# Altium PCB SAMW25_Xplained_Pro.PcbDoc (part 4 of 9)
Units mm, origin at the board's own origin, x right, y up, seen from the top; angles counter-clockwise.
Board outline 60 x 60 mm, 4 copper layers (Top Layer LF-signals, GND, POWER, Bottom Layer LF-signals), stack 1.602 mm thick; 139 components, 107 nets, 540 pads, 303 vias.
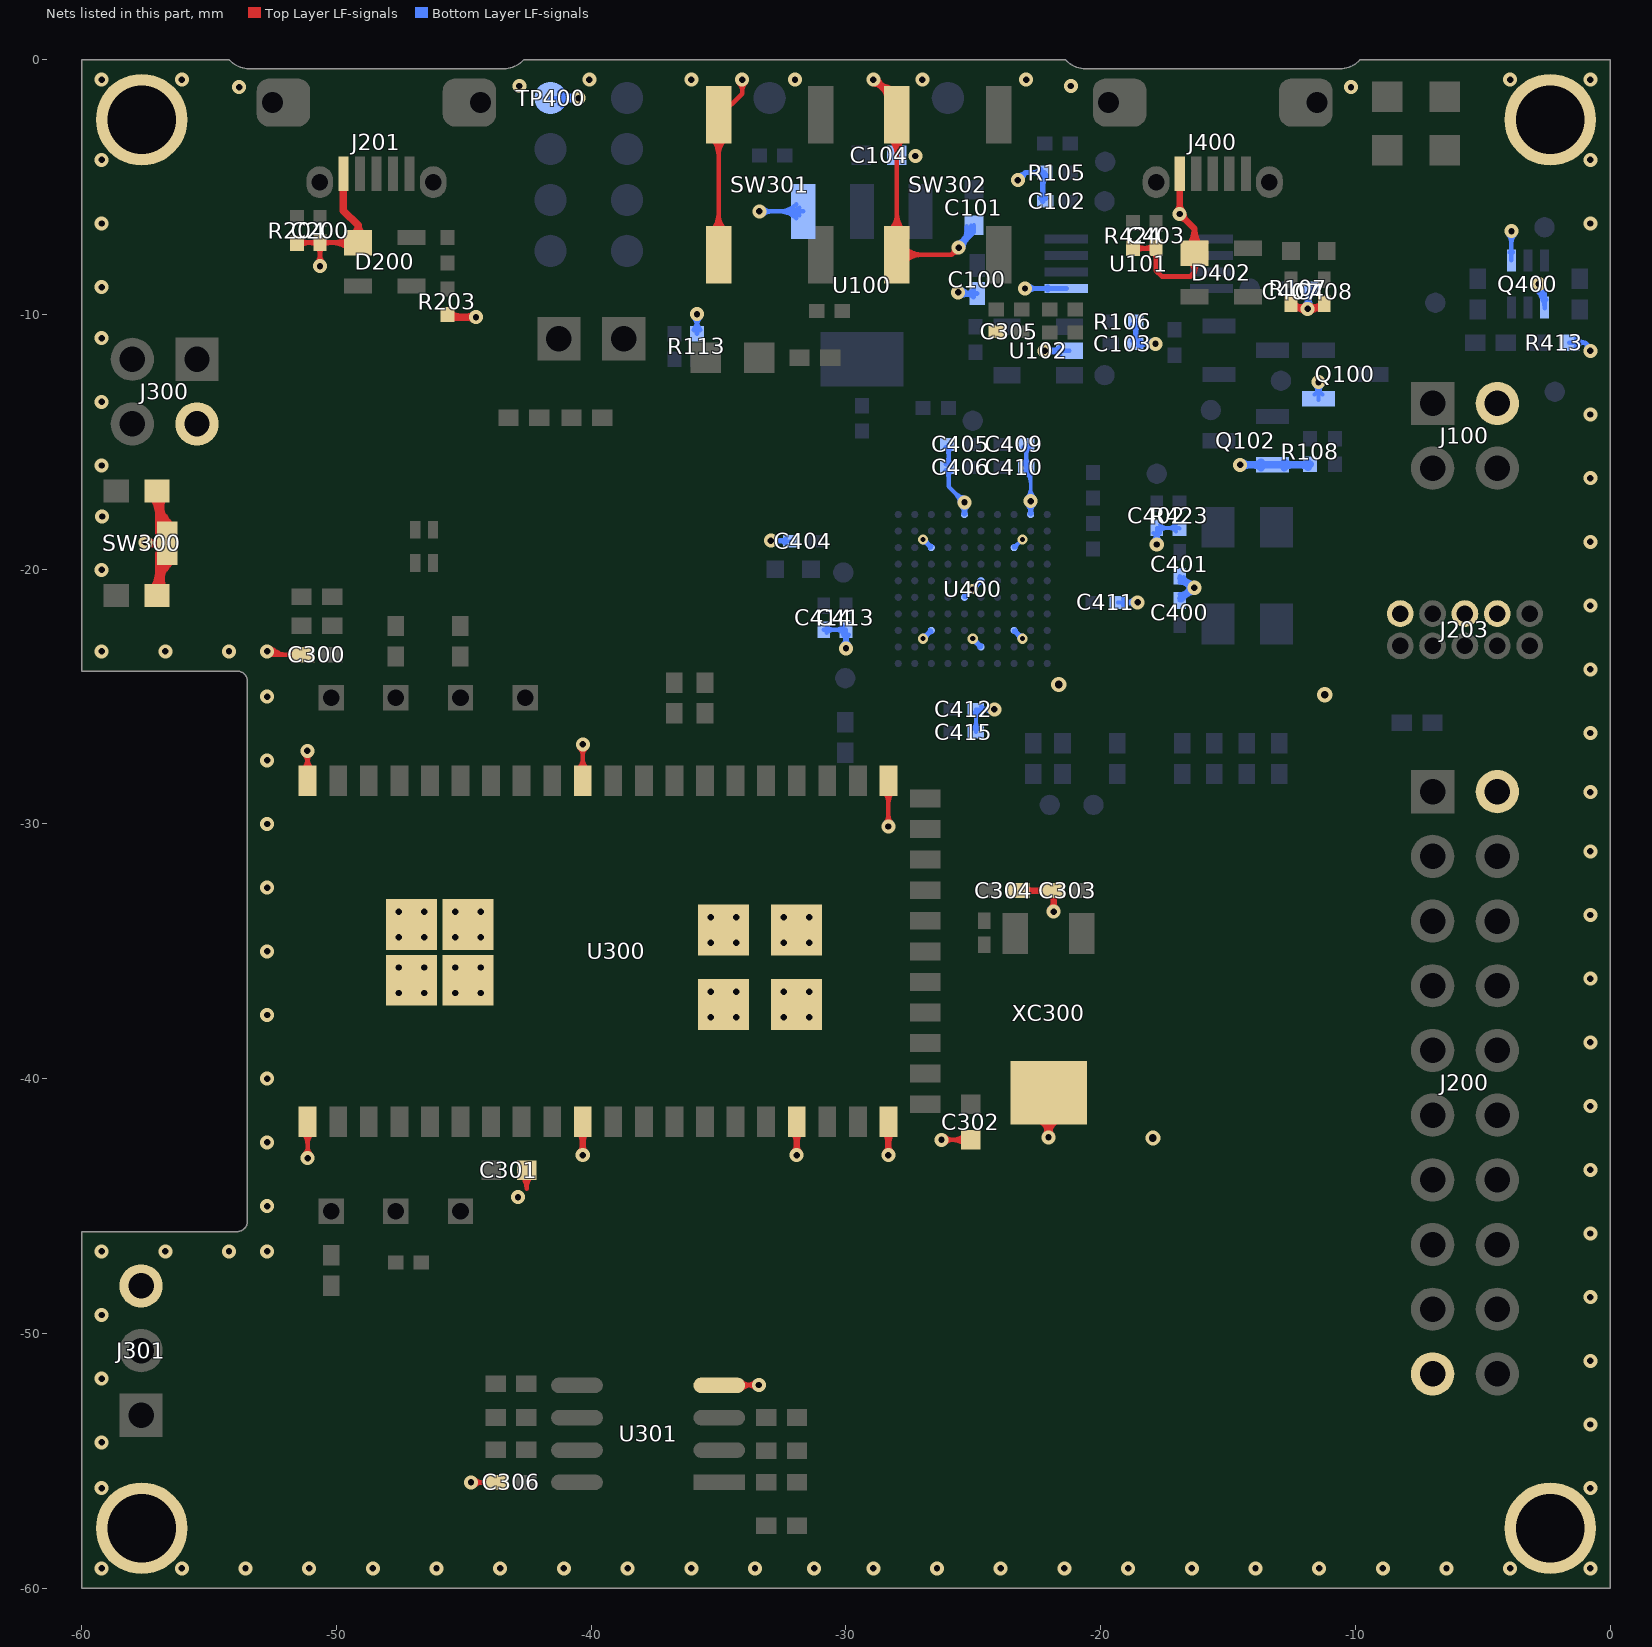
[diagram p6: the nets of this part, all layers, seen from the top]

## Via types
v1: diameter 0.55, hole 0.25, Top Layer LF-signals to Bottom Layer LF-signals, tented both sides, 213 vias
v2: diameter 0.55, hole 0.25, Top Layer LF-signals to Bottom Layer LF-signals, 46 vias
v3: diameter 0.55/0.8 (per signal layer), hole 0.25, Top Layer LF-signals to Bottom Layer LF-signals, tented top, 18 vias
v4: diameter 0.4, hole 0.2, Top Layer LF-signals to Bottom Layer LF-signals, 15 vias
v5: diameter 0.55, hole 0.25, Top Layer LF-signals to Bottom Layer LF-signals, tented top, 8 vias
v6: diameter 0.6, hole 0.3, Top Layer LF-signals to Bottom Layer LF-signals, tented both sides, 3 vias

## Nets (pads, with @x,y where several pads share a name; then routed paths per layer and width w, separated by ;. In a path a pad name is that pad's centre, name@x,y a point inside that pad or via, vN(x,y) a via of type N, cw(c..) or ccw(c..) an arc to the next point about the centre after c; other vN are vias at no path point) (continued)
GND: (continued)
  Bottom Layer LF-signals w0.15: TP400.1@-41.6,-1.5 v2(-40.5,-1.5) ; v1(-32.95,-18.875) -32.925,-18.9 C404.2@-32.15,-18.9 ; v4(-26.975,-22.725) U400.H3@-26.65,-22.4 ; v4(-26.975,-18.825) U400.H8@-26.65,-19.15 ; v4@-26.87,-22.588 ccw(c-27.038,-22.296) U400.H3@-26.713,-22.383 ; v4@-26.87,-18.962 cw(c-27.038,-19.254) U400.H8@-26.713,-19.167 ; v4@-26.838,-22.62 cw(c-26.546,-22.788) U400.H3@-26.633,-22.463 ; v4@-26.838,-18.93 ccw(c-26.546,-18.762) U400.H8@-26.633,-19.087 ; -26.816,-22.534 cw(c-26.975,-22.376) v4@-26.975,-22.6 ; -26.816,-19.016 ccw(c-26.975,-19.174) v4@-26.975,-18.95 ; -26.784,-22.566 ccw(c-26.626,-22.725) v4@-26.85,-22.725 ; -26.784,-18.984 cw(c-26.626,-18.825) v4@-26.85,-18.825 ; U400.H3@-26.746,-22.464 ccw(c-26.496,-22.715) v4@-26.85,-22.722 ; U400.H8@-26.746,-19.086 cw(c-26.496,-18.835) v4@-26.85,-18.828 ; U400.H3@-26.714,-22.496 cw(c-26.965,-22.246) v4@-26.972,-22.6 ; U400.H8@-26.714,-19.054 ccw(c-26.965,-19.304) v4@-26.972,-18.95 ; U400.F5@-25.35,-21.1 v4(-25.025,-20.775) U400.E6@-24.7,-20.45 ; v1(-25.35,-17.373) U400.F10@-25.35,-17.85 ; v4(-25.025,-22.725) U400.E2@-24.7,-23.05 ; v4@-24.92,-22.862 cw(c-25.088,-23.154) U400.E2@-24.763,-23.067 ; v4@-24.92,-20.638 ccw(c-25.088,-20.346) U400.E6@-24.763,-20.433 ; C415.2@-24.9,-26.4 C412.2@-24.9,-25.5 v1(-24.175,-25.5) ; v4@-24.888,-22.83 ccw(c-24.596,-22.662) U400.E2@-24.683,-22.987 ; v4@-24.888,-20.67 cw(c-24.596,-20.838) U400.E6@-24.683,-20.513 ; -24.866,-22.916 ccw(c-25.025,-23.074) v4@-25.025,-22.85 ; -24.866,-20.584 cw(c-25.025,-20.426) v4@-25.025,-20.65 ; -24.834,-22.884 cw(c-24.676,-22.725) v4@-24.9,-22.725 ; -24.834,-20.616 ccw(c-24.676,-20.775) v4@-24.9,-20.775 ; U400.E2@-24.796,-22.986 cw(c-24.546,-22.735) v4@-24.9,-22.728 ; U400.E6@-24.796,-20.514 ccw(c-24.546,-20.765) v4@-24.9,-20.772 ; U400.E2@-24.764,-22.954 ccw(c-25.015,-23.204) v4@-25.022,-22.85 ; U400.E6@-24.764,-20.546 cw(c-25.015,-20.296) v4@-25.022,-20.65 ; U400.C3@-23.4,-22.4 v4(-23.075,-22.725) ; U400.C8@-23.4,-19.15 v4(-23.075,-18.825) ; U400.C3@-23.336,-22.496 ccw(c-23.085,-22.246) v4@-23.078,-22.6 ; U400.C3@-23.304,-22.464 cw(c-23.554,-22.715) v4@-23.2,-22.722 ; -23.266,-22.566 cw(c-23.424,-22.725) v4@-23.2,-22.725 ; -23.234,-22.534 ccw(c-23.075,-22.376) v4@-23.075,-22.6 ; v4@-23.212,-22.62 ccw(c-23.504,-22.788) U400.C3@-23.417,-22.463 ; v4@-23.18,-22.588 cw(c-23.012,-22.296) U400.C3@-23.337,-22.383 ; C410.2@-22.925,-16 -22.75,-16.175 v1(-22.75,-17.325) U400.B10@-22.75,-17.85 ; C411.2@-19.325,-21.3 -18.552,-21.3 v1(-18.551,-21.301) ; v2(-17.8,-19.025) C402.2@-17.8,-18.375 -16.925,-18.375 R423.1@-16.9,-18.4 ; Q100.1@-11.45,-13.35 Q100.1@-11.45,-13.3 v2(-11.45,-12.65) ; TP400.1@-41.268,-1.741 cw(c-40.795,-2.086) -40.795,-1.5 ; TP400.1@-41.268,-1.741 cw(c-40.795,-2.086) -40.795,-1.5 ; TP400.1@-41.268,-1.741 cw(c-40.795,-2.086) -40.795,-1.5 ; TP400.1@-41.268,-1.259 ccw(c-40.795,-0.914) -40.795,-1.5 ; TP400.1@-41.268,-1.259 ccw(c-40.795,-0.914) -40.795,-1.5 ; TP400.1@-41.268,-1.259 ccw(c-40.795,-0.914) -40.795,-1.5 ; TP400.1@-41.147,-1.829 cw(c-40.5,-2.3) v2(-40.5,-1.5) ; TP400.1@-41.147,-1.829 cw(c-40.5,-2.3) v2(-40.5,-1.5) ; TP400.1@-41.147,-1.829 cw(c-40.5,-2.3) v2(-40.5,-1.5) ; TP400.1@-41.147,-1.171 ccw(c-40.5,-0.7) v2(-40.5,-1.5) ; TP400.1@-41.147,-1.171 ccw(c-40.5,-0.7) v2(-40.5,-1.5) ; TP400.1@-41.147,-1.171 ccw(c-40.5,-0.7) v2(-40.5,-1.5) ; TP400.1@-40.983,-1.5 cw(c-40.983,-1.983) v2@-40.641,-1.641 ; TP400.1@-40.983,-1.5 ccw(c-40.983,-1.017) v2@-40.641,-1.359 ; TP400.1@-40.983,-1.5 ccw(c-40.983,-1.017) v2@-40.641,-1.359 ; TP400.1@-40.983,-1.5 cw(c-40.983,-1.983) v2@-40.641,-1.641 ; TP400.1@-40.983,-1.5 ccw(c-40.983,-1.017) v2@-40.641,-1.359 ; TP400.1@-40.983,-1.5 cw(c-40.983,-1.983) v2@-40.641,-1.641 ; -40.9,-1.607 cw(c-40.815,-1.925) v2@-40.619,-1.661 ; -40.9,-1.607 ccw(c-40.985,-1.289) v2@-40.683,-1.42 ; -40.9,-1.607 cw(c-40.815,-1.925) v2@-40.619,-1.661 ; -40.9,-1.607 ccw(c-40.985,-1.289) v2@-40.683,-1.42 ; -40.9,-1.607 cw(c-40.815,-1.925) v2@-40.619,-1.661 ; -40.9,-1.607 ccw(c-40.985,-1.289) v2@-40.683,-1.42 ; -40.9,-1.607 ccw(c-40.985,-1.289) v2@-40.683,-1.42 ; -40.9,-1.607 cw(c-40.815,-1.925) v2@-40.619,-1.661 ; -40.9,-1.607 ccw(c-40.985,-1.289) v2@-40.683,-1.42 ; -40.9,-1.607 cw(c-40.815,-1.925) v2@-40.619,-1.661 ; -40.9,-1.607 ccw(c-40.985,-1.289) v2@-40.683,-1.42 ; -40.9,-1.607 cw(c-40.815,-1.925) v2@-40.619,-1.661 ; -40.9,-1.393 cw(c-40.985,-1.711) v2@-40.683,-1.58 ; -40.9,-1.393 ccw(c-40.815,-1.075) v2@-40.619,-1.339 ; -40.9,-1.393 cw(c-40.985,-1.711) v2@-40.683,-1.58 ; -40.9,-1.393 ccw(c-40.815,-1.075) v2@-40.619,-1.339 ; -40.9,-1.393 cw(c-40.985,-1.711) v2@-40.683,-1.58 ; -40.9,-1.393 ccw(c-40.815,-1.075) v2@-40.619,-1.339 ; -40.9,-1.393 ccw(c-40.815,-1.075) v2@-40.619,-1.339 ; -40.9,-1.393 cw(c-40.985,-1.711) v2@-40.683,-1.58 ; -40.9,-1.393 ccw(c-40.815,-1.075) v2@-40.619,-1.339 ; -40.9,-1.393 cw(c-40.985,-1.711) v2@-40.683,-1.58 ; -40.9,-1.393 ccw(c-40.815,-1.075) v2@-40.619,-1.339 ; -40.9,-1.393 cw(c-40.985,-1.711) v2@-40.683,-1.58 ; v1@-32.809,-19.016 cw(c-32.527,-19.298) -32.527,-18.9 ; v1@-32.809,-19.016 cw(c-32.527,-19.298) -32.527,-18.9 ; v1@-32.809,-19.016 cw(c-32.527,-19.298) -32.527,-18.9 ; v1@-32.809,-18.734 ccw(c-32.407,-18.332) C404.2@-32.407,-18.9 ; v1@-32.809,-18.734 ccw(c-32.407,-18.332) C404.2@-32.407,-18.9 ; v1@-32.809,-18.734 ccw(c-32.407,-18.332) C404.2@-32.407,-18.9 ; -32.647,-18.9 cw(c-32.647,-19.322) C404.2@-32.349,-19.024 ; -32.647,-18.9 ccw(c-32.647,-18.477) C404.2@-32.349,-18.776 ; -32.647,-18.9 ccw(c-32.647,-18.477) C404.2@-32.349,-18.776 ; -32.647,-18.9 cw(c-32.647,-19.322) C404.2@-32.349,-19.024 ; -32.647,-18.9 ccw(c-32.647,-18.477) C404.2@-32.349,-18.776 ; -32.647,-18.9 cw(c-32.647,-19.322) C404.2@-32.349,-19.024 ; -32.612,-18.845 ccw(c-32.541,-18.579) C404.2@-32.348,-18.775 ; -32.612,-18.845 ccw(c-32.541,-18.579) C404.2@-32.348,-18.775 ; -32.612,-18.845 ccw(c-32.541,-18.579) C404.2@-32.348,-18.775 ; -32.535,-18.866 cw(c-32.603,-19.118) C404.2@-32.377,-18.987 ; -32.535,-18.866 cw(c-32.603,-19.118) C404.2@-32.377,-18.987 ; -32.535,-18.866 cw(c-32.603,-19.118) C404.2@-32.377,-18.987 ; v4@-26.975,-22.6 ccw(c-26.975,-22.298) -26.762,-22.512 ; v4@-26.975,-22.6 ccw(c-26.975,-22.389) -26.826,-22.538 ; v4@-26.975,-22.6 ccw(c-26.975,-22.389) -26.826,-22.538 ; v4@-26.975,-22.6 ccw(c-26.975,-22.389) -26.826,-22.538 ; v4@-26.975,-22.6 ccw(c-26.975,-22.298) -26.762,-22.512 ; v4@-26.975,-22.6 ccw(c-26.975,-22.389) -26.826,-22.538 ; v4@-26.975,-22.6 ccw(c-26.975,-22.298) -26.762,-22.512 ; v4@-26.975,-18.95 cw(c-26.975,-19.252) -26.762,-19.038 ; v4@-26.975,-18.95 cw(c-26.975,-19.161) -26.826,-19.012 ; v4@-26.975,-18.95 cw(c-26.975,-19.161) -26.826,-19.012 ; v4@-26.975,-18.95 cw(c-26.975,-19.161) -26.826,-19.012 ; v4@-26.975,-18.95 cw(c-26.975,-19.252) -26.762,-19.038 ; v4@-26.975,-18.95 cw(c-26.975,-19.161) -26.826,-19.012 ; v4@-26.975,-18.95 cw(c-26.975,-19.252) -26.762,-19.038 ; v4@-26.972,-22.6 ccw(c-26.965,-22.232) U400.H3@-26.705,-22.492 ; v4@-26.972,-22.6 ccw(c-26.965,-22.232) U400.H3@-26.705,-22.492 ; v4@-26.972,-22.6 ccw(c-26.965,-22.232) U400.H3@-26.705,-22.492 ; v4@-26.972,-22.6 ccw(c-26.965,-22.232) U400.H3@-26.705,-22.492 ; v4@-26.972,-18.95 cw(c-26.965,-19.318) U400.H8@-26.705,-19.058 ; v4@-26.972,-18.95 cw(c-26.965,-19.318) U400.H8@-26.705,-19.058 ; v4@-26.972,-18.95 cw(c-26.965,-19.318) U400.H8@-26.705,-19.058 ; v4@-26.972,-18.95 cw(c-26.965,-19.318) U400.H8@-26.705,-19.058 ; v4@-26.85,-22.725 cw(c-26.548,-22.725) -26.762,-22.512 ; v4@-26.85,-22.725 cw(c-26.639,-22.725) -26.788,-22.576 ; v4@-26.85,-22.725 cw(c-26.639,-22.725) -26.788,-22.576 ; v4@-26.85,-22.725 cw(c-26.639,-22.725) -26.788,-22.576 ; v4@-26.85,-22.725 cw(c-26.548,-22.725) -26.762,-22.512 ; v4@-26.85,-22.725 cw(c-26.639,-22.725) -26.788,-22.576 ; v4@-26.85,-22.725 cw(c-26.548,-22.725) -26.762,-22.512 ; v4@-26.85,-22.722 cw(c-26.482,-22.715) U400.H3@-26.742,-22.455 ; v4@-26.85,-22.722 cw(c-26.482,-22.715) U400.H3@-26.742,-22.455 ; v4@-26.85,-22.722 cw(c-26.482,-22.715) U400.H3@-26.742,-22.455 ; v4@-26.85,-22.722 cw(c-26.482,-22.715) U400.H3@-26.742,-22.455 ; -26.851,-22.563 ccw(c-26.999,-22.306) U400.H3@-26.713,-22.383 ; -26.851,-22.563 ccw(c-26.999,-22.306) U400.H3@-26.713,-22.383 ; -26.851,-22.563 ccw(c-26.999,-22.306) U400.H3@-26.713,-22.383 ; -26.851,-18.987 cw(c-26.999,-19.244) U400.H8@-26.713,-19.167 ; -26.851,-18.987 cw(c-26.999,-19.244) U400.H8@-26.713,-19.167 ; -26.851,-18.987 cw(c-26.999,-19.244) U400.H8@-26.713,-19.167 ; v4@-26.85,-18.828 ccw(c-26.482,-18.835) U400.H8@-26.742,-19.095 ; v4@-26.85,-18.828 ccw(c-26.482,-18.835) U400.H8@-26.742,-19.095 ; v4@-26.85,-18.828 ccw(c-26.482,-18.835) U400.H8@-26.742,-19.095 ; v4@-26.85,-18.828 ccw(c-26.482,-18.835) U400.H8@-26.742,-19.095 ; v4@-26.85,-18.825 ccw(c-26.548,-18.825) -26.762,-19.038 ; v4@-26.85,-18.825 ccw(c-26.639,-18.825) -26.788,-18.974 ; v4@-26.85,-18.825 ccw(c-26.639,-18.825) -26.788,-18.974 ; v4@-26.85,-18.825 ccw(c-26.639,-18.825) -26.788,-18.974 ; v4@-26.85,-18.825 ccw(c-26.548,-18.825) -26.762,-19.038 ; v4@-26.85,-18.825 ccw(c-26.639,-18.825) -26.788,-18.974 ; v4@-26.85,-18.825 ccw(c-26.548,-18.825) -26.762,-19.038 ; -26.813,-22.601 cw(c-26.556,-22.749) U400.H3@-26.633,-22.463 ; -26.813,-22.601 cw(c-26.556,-22.749) U400.H3@-26.633,-22.463 ; -26.813,-22.601 cw(c-26.556,-22.749) U400.H3@-26.633,-22.463 ; -26.813,-18.949 ccw(c-26.556,-18.801) U400.H8@-26.633,-19.087 ; -26.813,-18.949 ccw(c-26.556,-18.801) U400.H8@-26.633,-19.087 ; -26.813,-18.949 ccw(c-26.556,-18.801) U400.H8@-26.633,-19.087 ; -26.761,-22.511 cw(c-26.65,-22.622) U400.H3@-26.65,-22.465 ; -26.761,-22.511 ccw(c-26.872,-22.4) U400.H3@-26.715,-22.4 ; -26.761,-22.511 ccw(c-26.872,-22.4) U400.H3@-26.715,-22.4 ; -26.761,-22.511 cw(c-26.65,-22.622) U400.H3@-26.65,-22.465 ; -26.761,-22.511 ccw(c-26.872,-22.4) U400.H3@-26.715,-22.4 ; -26.761,-22.511 cw(c-26.65,-22.622) U400.H3@-26.65,-22.465 ; -26.761,-19.039 cw(c-26.872,-19.15) U400.H8@-26.715,-19.15 ; -26.761,-19.039 ccw(c-26.65,-18.928) U400.H8@-26.65,-19.085 ; -26.761,-19.039 ccw(c-26.65,-18.928) U400.H8@-26.65,-19.085 ; -26.761,-19.039 cw(c-26.872,-19.15) U400.H8@-26.715,-19.15 ; -26.761,-19.039 ccw(c-26.65,-18.928) U400.H8@-26.65,-19.085 ; -26.761,-19.039 cw(c-26.872,-19.15) U400.H8@-26.715,-19.15 ; v1@-25.49,-17.515 cw(c-25.82,-17.85) U400.F10@-25.35,-17.85 ; v1@-25.49,-17.515 cw(c-25.82,-17.85) U400.F10@-25.35,-17.85 ; v1@-25.49,-17.515 cw(c-25.82,-17.85) U400.F10@-25.35,-17.85 ; U400.F10@-25.406,-17.818 ccw(c-25.542,-17.739) -25.391,-17.698 ; U400.F10@-25.406,-17.818 ccw(c-25.542,-17.739) -25.391,-17.698 ; U400.F10@-25.406,-17.818 ccw(c-25.542,-17.739) -25.391,-17.698 ; U400.F10@-25.396,-17.804 ccw(c-25.507,-17.693) -25.35,-17.693 ; U400.F10@-25.396,-17.804 ccw(c-25.507,-17.693) -25.35,-17.693 ; U400.F10@-25.396,-17.804 ccw(c-25.507,-17.693) -25.35,-17.693 ; -25.391,-17.698 ccw(c-25.239,-17.658) U400.F10@-25.318,-17.794 ; -25.391,-17.698 ccw(c-25.239,-17.658) U400.F10@-25.318,-17.794 ; -25.391,-17.698 ccw(c-25.239,-17.658) U400.F10@-25.318,-17.794 ; U400.F10@-25.383,-17.794 ccw(c-25.461,-17.658) -25.309,-17.698 ; U400.F10@-25.383,-17.794 ccw(c-25.461,-17.658) -25.309,-17.698 ; U400.F10@-25.383,-17.794 ccw(c-25.461,-17.658) -25.309,-17.698 ; U400.F5@-25.35,-21.035 ccw(c-25.35,-20.878) -25.239,-20.989 ; U400.F5@-25.35,-21.035 ccw(c-25.35,-20.878) -25.239,-20.989 ; U400.F5@-25.35,-21.035 ccw(c-25.35,-20.878) -25.239,-20.989 ; U400.F10@-25.35,-17.85 cw(c-24.88,-17.85) v1@-25.21,-17.515 ; U400.F10@-25.35,-17.85 cw(c-24.88,-17.85) v1@-25.21,-17.515 ; U400.F10@-25.35,-17.85 cw(c-24.88,-17.85) v1@-25.21,-17.515 ; -25.35,-17.693 ccw(c-25.193,-17.693) U400.F10@-25.304,-17.804 ; -25.35,-17.693 ccw(c-25.193,-17.693) U400.F10@-25.304,-17.804 ; -25.35,-17.693 ccw(c-25.193,-17.693) U400.F10@-25.304,-17.804 ; -25.309,-17.698 ccw(c-25.158,-17.739) U400.F10@-25.294,-17.818 ; -25.309,-17.698 ccw(c-25.158,-17.739) U400.F10@-25.294,-17.818 ; -25.309,-17.698 ccw(c-25.158,-17.739) U400.F10@-25.294,-17.818 ; U400.F5@-25.285,-21.1 cw(c-25.128,-21.1) -25.239,-20.989 ; U400.F5@-25.285,-21.1 cw(c-25.128,-21.1) -25.239,-20.989 ; U400.F5@-25.285,-21.1 cw(c-25.128,-21.1) -25.239,-20.989 ; v4@-25.025,-22.85 cw(c-25.025,-23.061) -24.876,-22.912 ; v4@-25.025,-22.85 cw(c-25.025,-23.061) -24.876,-22.912 ; v4@-25.025,-22.85 cw(c-25.025,-23.152) -24.812,-22.938 ; v4@-25.025,-22.85 cw(c-25.025,-23.061) -24.876,-22.912 ; v4@-25.025,-22.85 cw(c-25.025,-23.152) -24.812,-22.938 ; v4@-25.025,-22.85 cw(c-25.025,-23.152) -24.812,-22.938 ; v4@-25.025,-22.85 cw(c-25.025,-23.061) -24.876,-22.912 ; v4@-25.025,-20.65 ccw(c-25.025,-20.439) -24.876,-20.588 ; v4@-25.025,-20.65 ccw(c-25.025,-20.439) -24.876,-20.588 ; v4@-25.025,-20.65 ccw(c-25.025,-20.348) -24.812,-20.562 ; v4@-25.025,-20.65 ccw(c-25.025,-20.439) -24.876,-20.588 ; v4@-25.025,-20.65 ccw(c-25.025,-20.348) -24.812,-20.562 ; v4@-25.025,-20.65 ccw(c-25.025,-20.348) -24.812,-20.562 ; v4@-25.025,-20.65 ccw(c-25.025,-20.439) -24.876,-20.588 ; C415.2@-25.024,-26.276 ccw(c-25.322,-25.978) -24.9,-25.978 ; C415.2@-25.024,-26.276 ccw(c-25.322,-25.978) -24.9,-25.978 ; C415.2@-25.024,-26.276 ccw(c-25.322,-25.978) -24.9,-25.978 ; C412.2@-25.024,-25.624 cw(c-25.322,-25.922) -24.9,-25.922 ; C412.2@-25.024,-25.624 cw(c-25.322,-25.922) -24.9,-25.922 ; C412.2@-25.024,-25.624 cw(c-25.322,-25.922) -24.9,-25.922 ; v4@-25.022,-22.85 cw(c-25.015,-23.218) U400.E2@-24.755,-22.958 ; v4@-25.022,-22.85 cw(c-25.015,-23.218) U400.E2@-24.755,-22.958 ; v4@-25.022,-22.85 cw(c-25.015,-23.218) U400.E2@-24.755,-22.958 ; v4@-25.022,-22.85 cw(c-25.015,-23.218) U400.E2@-24.755,-22.958 ; v4@-25.022,-20.65 ccw(c-25.015,-20.282) U400.E6@-24.755,-20.542 ; v4@-25.022,-20.65 ccw(c-25.015,-20.282) U400.E6@-24.755,-20.542 ; v4@-25.022,-20.65 ccw(c-25.015,-20.282) U400.E6@-24.755,-20.542 ; v4@-25.022,-20.65 ccw(c-25.015,-20.282) U400.E6@-24.755,-20.542 ; -24.901,-22.887 cw(c-25.049,-23.144) U400.E2@-24.763,-23.067 ; -24.901,-22.887 cw(c-25.049,-23.144) U400.E2@-24.763,-23.067 ; -24.901,-22.887 cw(c-25.049,-23.144) U400.E2@-24.763,-23.067 ; -24.901,-20.613 ccw(c-25.049,-20.356) U400.E6@-24.763,-20.433 ; -24.901,-20.613 ccw(c-25.049,-20.356) U400.E6@-24.763,-20.433 ; -24.901,-20.613 ccw(c-25.049,-20.356) U400.E6@-24.763,-20.433 ; -24.9,-25.978 ccw(c-24.478,-25.978) C415.2@-24.776,-26.276 ; -24.9,-25.978 ccw(c-24.478,-25.978) C415.2@-24.776,-26.276 ; -24.9,-25.978 ccw(c-24.478,-25.978) C415.2@-24.776,-26.276 ; -24.9,-25.922 cw(c-24.478,-25.922) C412.2@-24.776,-25.624 ; -24.9,-25.922 cw(c-24.478,-25.922) C412.2@-24.776,-25.624 ; -24.9,-25.922 cw(c-24.478,-25.922) C412.2@-24.776,-25.624 ; v4@-24.9,-22.728 ccw(c-24.532,-22.735) U400.E2@-24.792,-22.995 ; v4@-24.9,-22.728 ccw(c-24.532,-22.735) U400.E2@-24.792,-22.995 ; v4@-24.9,-22.728 ccw(c-24.532,-22.735) U400.E2@-24.792,-22.995 ; v4@-24.9,-22.728 ccw(c-24.532,-22.735) U400.E2@-24.792,-22.995 ; v4@-24.9,-22.725 ccw(c-24.598,-22.725) -24.812,-22.938 ; v4@-24.9,-22.725 ccw(c-24.689,-22.725) -24.838,-22.874 ; v4@-24.9,-22.725 ccw(c-24.689,-22.725) -24.838,-22.874 ; v4@-24.9,-22.725 ccw(c-24.689,-22.725) -24.838,-22.874 ; v4@-24.9,-22.725 ccw(c-24.598,-22.725) -24.812,-22.938 ; v4@-24.9,-22.725 ccw(c-24.689,-22.725) -24.838,-22.874 ; v4@-24.9,-22.725 ccw(c-24.598,-22.725) -24.812,-22.938 ; v4@-24.9,-20.775 cw(c-24.598,-20.775) -24.812,-20.562 ; v4@-24.9,-20.775 cw(c-24.689,-20.775) -24.838,-20.626 ; v4@-24.9,-20.775 cw(c-24.689,-20.775) -24.838,-20.626 ; v4@-24.9,-20.775 cw(c-24.689,-20.775) -24.838,-20.626 ; v4@-24.9,-20.775 cw(c-24.598,-20.775) -24.812,-20.562 ; v4@-24.9,-20.775 cw(c-24.689,-20.775) -24.838,-20.626 ; v4@-24.9,-20.775 cw(c-24.598,-20.775) -24.812,-20.562 ; v4@-24.9,-20.772 cw(c-24.532,-20.765) U400.E6@-24.792,-20.505 ; v4@-24.9,-20.772 cw(c-24.532,-20.765) U400.E6@-24.792,-20.505 ; v4@-24.9,-20.772 cw(c-24.532,-20.765) U400.E6@-24.792,-20.505 ; v4@-24.9,-20.772 cw(c-24.532,-20.765) U400.E6@-24.792,-20.505 ; -24.863,-22.849 ccw(c-24.606,-22.701) U400.E2@-24.683,-22.987 ; -24.863,-22.849 ccw(c-24.606,-22.701) U400.E2@-24.683,-22.987 ; -24.863,-22.849 ccw(c-24.606,-22.701) U400.E2@-24.683,-22.987 ; -24.863,-20.651 cw(c-24.606,-20.799) U400.E6@-24.683,-20.513 ; -24.863,-20.651 cw(c-24.606,-20.799) U400.E6@-24.683,-20.513 ; -24.863,-20.651 cw(c-24.606,-20.799) U400.E6@-24.683,-20.513 ; -24.811,-22.939 cw(c-24.922,-23.05) U400.E2@-24.765,-23.05 ; -24.811,-22.939 ccw(c-24.7,-22.828) U400.E2@-24.7,-22.985 ; -24.811,-22.939 ccw(c-24.7,-22.828) U400.E2@-24.7,-22.985 ; -24.811,-22.939 cw(c-24.922,-23.05) U400.E2@-24.765,-23.05 ; -24.811,-22.939 ccw(c-24.7,-22.828) U400.E2@-24.7,-22.985 ; -24.811,-22.939 cw(c-24.922,-23.05) U400.E2@-24.765,-23.05 ; -24.811,-20.561 cw(c-24.7,-20.672) U400.E6@-24.7,-20.515 ; -24.811,-20.561 ccw(c-24.922,-20.45) U400.E6@-24.765,-20.45 ; -24.811,-20.561 ccw(c-24.922,-20.45) U400.E6@-24.765,-20.45 ; -24.811,-20.561 cw(c-24.7,-20.672) U400.E6@-24.7,-20.515 ; -24.811,-20.561 ccw(c-24.922,-20.45) U400.E6@-24.765,-20.45 ; -24.811,-20.561 cw(c-24.7,-20.672) U400.E6@-24.7,-20.515 ; C412.2@-24.701,-25.624 cw(c-24.403,-25.922) v1@-24.403,-25.5 ; C412.2@-24.701,-25.624 cw(c-24.403,-25.922) v1@-24.403,-25.5 ; C412.2@-24.701,-25.624 cw(c-24.403,-25.922) v1@-24.403,-25.5 ; C412.2@-24.701,-25.376 ccw(c-24.403,-25.078) v1@-24.403,-25.5 ; C412.2@-24.701,-25.376 ccw(c-24.403,-25.078) v1@-24.403,-25.5 ; C412.2@-24.701,-25.376 ccw(c-24.403,-25.078) v1@-24.403,-25.5 ; C412.2@-24.689,-25.61 cw(c-24.539,-25.732) -24.489,-25.545 ; C412.2@-24.689,-25.61 cw(c-24.539,-25.732) -24.489,-25.545 ; C412.2@-24.689,-25.61 cw(c-24.539,-25.732) -24.489,-25.545 ; C412.2@-24.689,-25.39 ccw(c-24.539,-25.268) -24.489,-25.455 ; C412.2@-24.689,-25.39 ccw(c-24.539,-25.268) -24.489,-25.455 ; C412.2@-24.689,-25.39 ccw(c-24.539,-25.268) -24.489,-25.455 ; C412.2@-24.673,-25.588 cw(c-24.435,-25.725) -24.507,-25.459 ; C412.2@-24.673,-25.588 cw(c-24.435,-25.725) -24.507,-25.459 ; C412.2@-24.673,-25.588 cw(c-24.435,-25.725) -24.507,-25.459 ; C412.2@-24.673,-25.413 ccw(c-24.435,-25.275) -24.507,-25.541 ; C412.2@-24.673,-25.413 ccw(c-24.435,-25.275) -24.507,-25.541 ; C412.2@-24.673,-25.413 ccw(c-24.435,-25.275) -24.507,-25.541 ; C412.2@-24.658,-25.5 cw(c-24.658,-25.983) v1@-24.316,-25.641 ; C412.2@-24.658,-25.5 ccw(c-24.658,-25.017) v1@-24.316,-25.359 ; C412.2@-24.658,-25.5 ccw(c-24.658,-25.017) v1@-24.316,-25.359 ; C412.2@-24.658,-25.5 cw(c-24.658,-25.983) v1@-24.316,-25.641 ; C412.2@-24.658,-25.5 ccw(c-24.658,-25.017) v1@-24.316,-25.359 ; C412.2@-24.658,-25.5 cw(c-24.658,-25.983) v1@-24.316,-25.641 ; -24.515,-25.53 cw(c-24.477,-25.673) v1@-24.348,-25.6 ; -24.515,-25.53 ccw(c-24.586,-25.268) v1@-24.349,-25.402 ; -24.515,-25.53 cw(c-24.477,-25.673) v1@-24.348,-25.6 ; -24.515,-25.53 ccw(c-24.586,-25.268) v1@-24.349,-25.402 ; -24.515,-25.53 cw(c-24.477,-25.673) v1@-24.348,-25.6 ; -24.515,-25.53 ccw(c-24.586,-25.268) v1@-24.349,-25.402 ; -24.515,-25.53 ccw(c-24.586,-25.268) v1@-24.349,-25.402 ; -24.515,-25.53 cw(c-24.477,-25.673) v1@-24.348,-25.6 ; -24.515,-25.53 ccw(c-24.586,-25.268) v1@-24.349,-25.402 ; -24.515,-25.53 cw(c-24.477,-25.673) v1@-24.348,-25.6 ; -24.515,-25.53 ccw(c-24.586,-25.268) v1@-24.349,-25.402 ; -24.515,-25.53 cw(c-24.477,-25.673) v1@-24.348,-25.6 ; -24.515,-25.47 cw(c-24.586,-25.732) v1@-24.349,-25.598 ; -24.515,-25.47 ccw(c-24.477,-25.327) v1@-24.348,-25.4 ; -24.515,-25.47 cw(c-24.586,-25.732) v1@-24.349,-25.598 ; -24.515,-25.47 ccw(c-24.477,-25.327) v1@-24.348,-25.4 ; -24.515,-25.47 cw(c-24.586,-25.732) v1@-24.349,-25.598 ; -24.515,-25.47 ccw(c-24.477,-25.327) v1@-24.348,-25.4 ; -24.515,-25.47 ccw(c-24.477,-25.327) v1@-24.348,-25.4 ; -24.515,-25.47 cw(c-24.586,-25.732) v1@-24.349,-25.598 ; -24.515,-25.47 ccw(c-24.477,-25.327) v1@-24.348,-25.4 ; -24.515,-25.47 cw(c-24.586,-25.732) v1@-24.349,-25.598 ; -24.515,-25.47 ccw(c-24.477,-25.327) v1@-24.348,-25.4 ; -24.515,-25.47 cw(c-24.586,-25.732) v1@-24.349,-25.598 ; U400.C3@-23.417,-22.463 cw(c-23.494,-22.749) -23.237,-22.601 ; U400.C3@-23.417,-22.463 cw(c-23.494,-22.749) -23.237,-22.601 ; U400.C3@-23.417,-22.463 cw(c-23.494,-22.749) -23.237,-22.601 ; U400.C3@-23.4,-22.465 cw(c-23.4,-22.622) -23.289,-22.511 ; U400.C3@-23.4,-22.465 cw(c-23.4,-22.622) -23.289,-22.511 ; U400.C3@-23.4,-22.465 cw(c-23.4,-22.622) -23.289,-22.511 ; U400.C8@-23.4,-19.085 ccw(c-23.4,-18.928) -23.289,-19.039 ; U400.C8@-23.4,-19.085 ccw(c-23.4,-18.928) -23.289,-19.039 ; U400.C8@-23.4,-19.085 ccw(c-23.4,-18.928) -23.289,-19.039 ; U400.C3@-23.345,-22.492 ccw(c-23.085,-22.232) v4@-23.078,-22.6 ; U400.C3@-23.345,-22.492 ccw(c-23.085,-22.232) v4@-23.078,-22.6 ; U400.C3@-23.345,-22.492 ccw(c-23.085,-22.232) v4@-23.078,-22.6 ; U400.C3@-23.345,-22.492 ccw(c-23.085,-22.232) v4@-23.078,-22.6 ; U400.C3@-23.337,-22.383 ccw(c-23.051,-22.306) -23.199,-22.563 ; U400.C3@-23.337,-22.383 ccw(c-23.051,-22.306) -23.199,-22.563 ; U400.C3@-23.337,-22.383 ccw(c-23.051,-22.306) -23.199,-22.563 ; U400.C3@-23.335,-22.4 ccw(c-23.178,-22.4) -23.289,-22.511 ; U400.C3@-23.335,-22.4 ccw(c-23.178,-22.4) -23.289,-22.511 ; U400.C3@-23.335,-22.4 ccw(c-23.178,-22.4) -23.289,-22.511 ; U400.C8@-23.335,-19.15 cw(c-23.178,-19.15) -23.289,-19.039 ; U400.C8@-23.335,-19.15 cw(c-23.178,-19.15) -23.289,-19.039 ; U400.C8@-23.335,-19.15 cw(c-23.178,-19.15) -23.289,-19.039 ; U400.C3@-23.308,-22.455 cw(c-23.568,-22.715) v4@-23.2,-22.722 ; U400.C3@-23.308,-22.455 cw(c-23.568,-22.715) v4@-23.2,-22.722 ; U400.C3@-23.308,-22.455 cw(c-23.568,-22.715) v4@-23.2,-22.722 ; U400.C3@-23.308,-22.455 cw(c-23.568,-22.715) v4@-23.2,-22.722 ; -23.288,-22.512 cw(c-23.502,-22.725) v4@-23.2,-22.725 ; -23.288,-22.512 ccw(c-23.075,-22.298) v4@-23.075,-22.6 ; -23.288,-22.512 ccw(c-23.075,-22.298) v4@-23.075,-22.6 ; -23.288,-22.512 cw(c-23.502,-22.725) v4@-23.2,-22.725 ; -23.288,-22.512 ccw(c-23.075,-22.298) v4@-23.075,-22.6 ; -23.288,-22.512 cw(c-23.502,-22.725) v4@-23.2,-22.725 ; -23.262,-22.576 cw(c-23.411,-22.725) v4@-23.2,-22.725 ; -23.262,-22.576 cw(c-23.411,-22.725) v4@-23.2,-22.725 ; -23.262,-22.576 cw(c-23.411,-22.725) v4@-23.2,-22.725 ; -23.262,-22.576 cw(c-23.411,-22.725) v4@-23.2,-22.725 ; -23.224,-22.538 ccw(c-23.075,-22.389) v4@-23.075,-22.6 ; -23.224,-22.538 ccw(c-23.075,-22.389) v4@-23.075,-22.6 ; -23.224,-22.538 ccw(c-23.075,-22.389) v4@-23.075,-22.6 ; -23.224,-22.538 ccw(c-23.075,-22.389) v4@-23.075,-22.6 ; C410.2@-22.974,-16.124 cw(c-23.514,-16.664) -22.75,-16.664 ; C410.2@-22.974,-16.124 cw(c-23.514,-16.664) -22.75,-16.664 ; C410.2@-22.974,-16.124 cw(c-23.514,-16.664) -22.75,-16.664 ; v1@-22.891,-17.466 cw(c-23.233,-17.808) U400.B10@-22.75,-17.808 ; v1@-22.891,-17.466 cw(c-23.233,-17.808) U400.B10@-22.75,-17.808 ; v1@-22.891,-17.466 cw(c-23.233,-17.808) U400.B10@-22.75,-17.808 ; v1@-22.891,-17.184 ccw(c-23.233,-16.842) -22.75,-16.842 ; v1@-22.891,-17.184 ccw(c-23.233,-16.842) -22.75,-16.842 ; v1@-22.891,-17.184 ccw(c-23.233,-16.842) -22.75,-16.842 ; C410.2@-22.868,-16.018 cw(c-23.152,-16.302) -22.75,-16.302 ; C410.2@-22.868,-16.018 cw(c-23.152,-16.302) -22.75,-16.302 ; C410.2@-22.868,-16.018 cw(c-23.152,-16.302) -22.75,-16.302 ; U400.B10@-22.806,-17.817 ccw(c-22.974,-17.72) -22.787,-17.67 ; U400.B10@-22.806,-17.817 ccw(c-22.974,-17.72) -22.787,-17.67 ; U400.B10@-22.806,-17.817 ccw(c-22.974,-17.72) -22.787,-17.67 ; U400.B10@-22.796,-17.804 ccw(c-22.907,-17.693) -22.75,-17.693 ; U400.B10@-22.796,-17.804 ccw(c-22.907,-17.693) -22.75,-17.693 ; U400.B10@-22.796,-17.804 ccw(c-22.907,-17.693) -22.75,-17.693 ; U400.B10@-22.75,-17.808 cw(c-22.267,-17.808) v1@-22.609,-17.466 ; U400.B10@-22.75,-17.808 cw(c-22.267,-17.808) v1@-22.609,-17.466 ; U400.B10@-22.75,-17.808 cw(c-22.267,-17.808) v1@-22.609,-17.466 ; -22.75,-17.693 ccw(c-22.593,-17.693) U400.B10@-22.704,-17.804 ; -22.75,-17.693 ccw(c-22.593,-17.693) U400.B10@-22.704,-17.804 ; -22.75,-17.693 ccw(c-22.593,-17.693) U400.B10@-22.704,-17.804 ; -22.75,-16.842 ccw(c-22.267,-16.842) v1@-22.609,-17.184 ; -22.75,-16.842 ccw(c-22.267,-16.842) v1@-22.609,-17.184 ; -22.75,-16.842 ccw(c-22.267,-16.842) v1@-22.609,-17.184 ; -22.713,-17.67 ccw(c-22.526,-17.72) U400.B10@-22.694,-17.817 ; -22.713,-17.67 ccw(c-22.526,-17.72) U400.B10@-22.694,-17.817 ; -22.713,-17.67 ccw(c-22.526,-17.72) U400.B10@-22.694,-17.817 ; C411.2@-19.126,-21.424 cw(c-18.828,-21.722) -18.828,-21.3 ; C411.2@-19.126,-21.424 cw(c-18.828,-21.722) -18.828,-21.3 ; C411.2@-19.126,-21.424 cw(c-18.828,-21.722) -18.828,-21.3 ; C411.2@-19.126,-21.176 ccw(c-18.828,-20.878) -18.828,-21.3 ; C411.2@-19.126,-21.176 ccw(c-18.828,-20.878) -18.828,-21.3 ; C411.2@-19.126,-21.176 ccw(c-18.828,-20.878) -18.828,-21.3 ; C411.2@-19.116,-21.413 cw(c-18.944,-21.558) -18.886,-21.34 ; C411.2@-19.116,-21.413 cw(c-18.944,-21.558) -18.886,-21.34 ; C411.2@-19.116,-21.413 cw(c-18.944,-21.558) -18.886,-21.34 ; C411.2@-19.115,-21.188 ccw(c-18.944,-21.046) -18.886,-21.261 ; C411.2@-19.115,-21.188 ccw(c-18.944,-21.046) -18.886,-21.261 ; C411.2@-19.115,-21.188 ccw(c-18.944,-21.046) -18.886,-21.261 ; C411.2@-19.098,-21.388 cw(c-18.9,-21.502) -18.959,-21.281 ; C411.2@-19.098,-21.388 cw(c-18.9,-21.502) -18.959,-21.281 ; C411.2@-19.098,-21.388 cw(c-18.9,-21.502) -18.959,-21.281 ; C411.2@-19.098,-21.212 ccw(c-18.896,-21.096) -18.957,-21.321 ; C411.2@-19.098,-21.212 ccw(c-18.896,-21.096) -18.957,-21.321 ; C411.2@-19.098,-21.212 ccw(c-18.896,-21.096) -18.957,-21.321 ; C411.2@-19.036,-21.3 cw(c-19.036,-21.786) v1@-18.692,-21.442 ; C411.2@-19.036,-21.3 cw(c-19.036,-21.786) v1@-18.692,-21.442 ; C411.2@-19.036,-21.3 cw(c-19.036,-21.786) v1@-18.692,-21.442 ; C411.2@-19.031,-21.3 ccw(c-19.031,-20.821) v1@-18.692,-21.16 ; C411.2@-19.031,-21.3 ccw(c-19.031,-20.821) v1@-18.692,-21.16 ; C411.2@-19.031,-21.3 ccw(c-19.031,-20.821) v1@-18.692,-21.16 ; v2@-17.941,-18.884 ccw(c-18.283,-18.542) C402.2@-17.8,-18.542 ; v2@-17.941,-18.884 ccw(c-18.283,-18.542) C402.2@-17.8,-18.542 ; v2@-17.941,-18.884 ccw(c-18.283,-18.542) C402.2@-17.8,-18.542 ; C402.2@-17.924,-18.574 cw(c-18.222,-18.872) v2@-17.8,-18.872 ; C402.2@-17.924,-18.574 cw(c-18.222,-18.872) v2@-17.8,-18.872 ; C402.2@-17.924,-18.574 cw(c-18.222,-18.872) v2@-17.8,-18.872 ; C402.2@-17.907,-18.589 cw(c-17.996,-18.706) -17.854,-18.744 ; C402.2@-17.907,-18.589 cw(c-17.996,-18.706) -17.854,-18.744 ; C402.2@-17.907,-18.589 cw(c-17.996,-18.706) -17.854,-18.744 ; v2@-17.892,-18.847 ccw(c-17.94,-18.754) -17.839,-18.727 ; v2@-17.892,-18.847 ccw(c-17.94,-18.754) -17.839,-18.727 ; v2@-17.892,-18.847 ccw(c-17.94,-18.754) -17.839,-18.727 ; v2@-17.892,-18.847 ccw(c-17.94,-18.754) -17.839,-18.727 ; v2@-17.892,-18.847 ccw(c-17.94,-18.754) -17.839,-18.727 ; v2@-17.892,-18.847 ccw(c-17.94,-18.754) -17.839,-18.727 ; C402.2@-17.863,-18.613 cw(c-17.933,-18.794) -17.746,-18.744 ; C402.2@-17.863,-18.613 cw(c-17.933,-18.794) -17.746,-18.744 ; C402.2@-17.863,-18.613 cw(c-17.933,-18.794) -17.746,-18.744 ; v2@-17.863,-18.835 ccw(c-17.912,-18.687) -17.761,-18.727 ; v2@-17.863,-18.835 ccw(c-17.912,-18.687) -17.761,-18.727 ; v2@-17.863,-18.835 ccw(c-17.912,-18.687) -17.761,-18.727 ; v2@-17.863,-18.835 ccw(c-17.912,-18.687) -17.761,-18.727 ; v2@-17.863,-18.835 ccw(c-17.912,-18.687) -17.761,-18.727 ; v2@-17.863,-18.835 ccw(c-17.912,-18.687) -17.761,-18.727 ; -17.854,-18.744 cw(c-17.667,-18.794) C402.2@-17.737,-18.613 ; -17.854,-18.744 cw(c-17.667,-18.794) C402.2@-17.737,-18.613 ; -17.854,-18.744 cw(c-17.667,-18.794) C402.2@-17.737,-18.613 ; -17.839,-18.727 ccw(c-17.688,-18.687) v2@-17.737,-18.835 ; -17.839,-18.727 ccw(c-17.688,-18.687) v2@-17.737,-18.835 ; -17.839,-18.727 ccw(c-17.688,-18.687) v2@-17.737,-18.835 ; -17.839,-18.727 ccw(c-17.688,-18.687) v2@-17.737,-18.835 ; -17.839,-18.727 ccw(c-17.688,-18.687) v2@-17.737,-18.835 ; -17.839,-18.727 ccw(c-17.688,-18.687) v2@-17.737,-18.835 ; v2@-17.8,-18.872 cw(c-17.378,-18.872) C402.2@-17.676,-18.574 ; v2@-17.8,-18.872 cw(c-17.378,-18.872) C402.2@-17.676,-18.574 ; v2@-17.8,-18.872 cw(c-17.378,-18.872) C402.2@-17.676,-18.574 ; C402.2@-17.8,-18.542 ccw(c-17.317,-18.542) v2@-17.659,-18.884 ; C402.2@-17.8,-18.542 ccw(c-17.317,-18.542) v2@-17.659,-18.884 ; C402.2@-17.8,-18.542 ccw(c-17.317,-18.542) v2@-17.659,-18.884 ; -17.761,-18.727 ccw(c-17.66,-18.754) v2@-17.708,-18.847 ; -17.761,-18.727 ccw(c-17.66,-18.754) v2@-17.708,-18.847 ; -17.761,-18.727 ccw(c-17.66,-18.754) v2@-17.708,-18.847 ; -17.761,-18.727 ccw(c-17.66,-18.754) v2@-17.708,-18.847 ; -17.761,-18.727 ccw(c-17.66,-18.754) v2@-17.708,-18.847 ; -17.761,-18.727 ccw(c-17.66,-18.754) v2@-17.708,-18.847 ; -17.746,-18.744 cw(c-17.604,-18.706) C402.2@-17.693,-18.589 ; -17.746,-18.744 cw(c-17.604,-18.706) C402.2@-17.693,-18.589 ; -17.746,-18.744 cw(c-17.604,-18.706) C402.2@-17.693,-18.589 ; C402.2@-17.676,-18.499 cw(c-17.378,-18.797) -17.378,-18.375 ; C402.2@-17.676,-18.499 cw(c-17.378,-18.797) -17.378,-18.375 ; C402.2@-17.676,-18.499 cw(c-17.378,-18.797) -17.378,-18.375 ; C402.2@-17.676,-18.251 ccw(c-17.378,-17.953) -17.378,-18.375 ; C402.2@-17.676,-18.251 ccw(c-17.378,-17.953) -17.378,-18.375 ; C402.2@-17.676,-18.251 ccw(c-17.378,-17.953) -17.378,-18.375 ; -17.383,-18.375 cw(c-17.383,-18.858) R423.1@-17.041,-18.516 ; -17.383,-18.375 ccw(c-17.383,-17.892) R423.1@-17.041,-18.234 ; -17.383,-18.375 ccw(c-17.383,-17.892) R423.1@-17.041,-18.234 ; -17.383,-18.375 cw(c-17.383,-18.858) R423.1@-17.041,-18.516 ; -17.383,-18.375 ccw(c-17.383,-17.892) R423.1@-17.041,-18.234 ; -17.383,-18.375 cw(c-17.383,-18.858) R423.1@-17.041,-18.516 ; Q100.1@-11.609,-13.141 ccw(c-11.993,-12.757) v2@-11.45,-12.757 ; Q100.1@-11.609,-13.141 ccw(c-11.993,-12.757) v2@-11.45,-12.757 ; Q100.1@-11.609,-13.141 ccw(c-11.993,-12.757) v2@-11.45,-12.757 ; v2@-11.591,-12.791 cw(c-11.933,-13.133) Q100.1@-11.45,-13.133 ; v2@-11.591,-12.791 cw(c-11.933,-13.133) Q100.1@-11.45,-13.133 ; v2@-11.591,-12.791 cw(c-11.933,-13.133) Q100.1@-11.45,-13.133 ; v2@-11.57,-12.81 cw(c-11.667,-12.94) -11.51,-12.982 ; v2@-11.57,-12.81 cw(c-11.667,-12.94) -11.51,-12.982 ; v2@-11.57,-12.81 cw(c-11.667,-12.94) -11.51,-12.982 ; v2@-11.57,-12.81 cw(c-11.667,-12.94) -11.51,-12.982 ; v2@-11.57,-12.81 cw(c-11.667,-12.94) -11.51,-12.982 ; v2@-11.57,-12.81 cw(c-11.667,-12.94) -11.51,-12.982 ; Q100.1@-11.555,-13.101 ccw(c-11.611,-12.995) -11.495,-12.964 ; Q100.1@-11.555,-13.101 ccw(c-11.611,-12.995) -11.495,-12.964 ; Q100.1@-11.555,-13.101 ccw(c-11.611,-12.995) -11.495,-12.964 ; v2@-11.521,-12.837 cw(c-11.597,-13.038) -11.39,-12.982 ; v2@-11.521,-12.837 cw(c-11.597,-13.038) -11.39,-12.982 ; v2@-11.521,-12.837 cw(c-11.597,-13.038) -11.39,-12.982 ; v2@-11.521,-12.837 cw(c-11.597,-13.038) -11.39,-12.982 ; v2@-11.521,-12.837 cw(c-11.597,-13.038) -11.39,-12.982 ; v2@-11.521,-12.837 cw(c-11.597,-13.038) -11.39,-12.982 ; Q100.1@-11.52,-13.086 ccw(c-11.576,-12.918) -11.405,-12.964 ; Q100.1@-11.52,-13.086 ccw(c-11.576,-12.918) -11.405,-12.964 ; Q100.1@-11.52,-13.086 ccw(c-11.576,-12.918) -11.405,-12.964 ; -11.51,-12.982 cw(c-11.303,-13.038) v2@-11.379,-12.837 ; -11.51,-12.982 cw(c-11.303,-13.038) v2@-11.379,-12.837 ; -11.51,-12.982 cw(c-11.303,-13.038) v2@-11.379,-12.837 ; -11.51,-12.982 cw(c-11.303,-13.038) v2@-11.379,-12.837 ; -11.51,-12.982 cw(c-11.303,-13.038) v2@-11.379,-12.837 ; -11.51,-12.982 cw(c-11.303,-13.038) v2@-11.379,-12.837 ; -11.495,-12.964 ccw(c-11.324,-12.918) Q100.1@-11.38,-13.086 ; -11.495,-12.964 ccw(c-11.324,-12.918) Q100.1@-11.38,-13.086 ; -11.495,-12.964 ccw(c-11.324,-12.918) Q100.1@-11.38,-13.086 ; Q100.1@-11.45,-13.133 cw(c-10.967,-13.133) v2@-11.309,-12.791 ; Q100.1@-11.45,-13.133 cw(c-10.967,-13.133) v2@-11.309,-12.791 ; Q100.1@-11.45,-13.133 cw(c-10.967,-13.133) v2@-11.309,-12.791 ; v2@-11.45,-12.757 ccw(c-10.907,-12.757) Q100.1@-11.291,-13.141 ; v2@-11.45,-12.757 ccw(c-10.907,-12.757) Q100.1@-11.291,-13.141 ; v2@-11.45,-12.757 ccw(c-10.907,-12.757) Q100.1@-11.291,-13.141 ; -11.405,-12.964 ccw(c-11.289,-12.995) Q100.1@-11.345,-13.101 ; -11.405,-12.964 ccw(c-11.289,-12.995) Q100.1@-11.345,-13.101 ; -11.405,-12.964 ccw(c-11.289,-12.995) Q100.1@-11.345,-13.101 ; -11.39,-12.982 cw(c-11.233,-12.94) v2@-11.33,-12.81 ; -11.39,-12.982 cw(c-11.233,-12.94) v2@-11.33,-12.81 ; -11.39,-12.982 cw(c-11.233,-12.94) v2@-11.33,-12.81 ; -11.39,-12.982 cw(c-11.233,-12.94) v2@-11.33,-12.81 ; -11.39,-12.982 cw(c-11.233,-12.94) v2@-11.33,-12.81 ; -11.39,-12.982 cw(c-11.233,-12.94) v2@-11.33,-12.81